# Altium PCB CSI2-IMX8M-EVK_Rev02.PcbDoc (part 2 of 2)
Units mm, origin at the board's own origin, x right, y up, seen from the top; angles counter-clockwise.
Board outline 42.53 x 74.03 mm, 4 copper layers (Layer1 Top, Layer2, Layer3, Layer4 Bottom), stack 1.59 mm thick; 126 components, 84 nets, 450 pads, 190 vias.
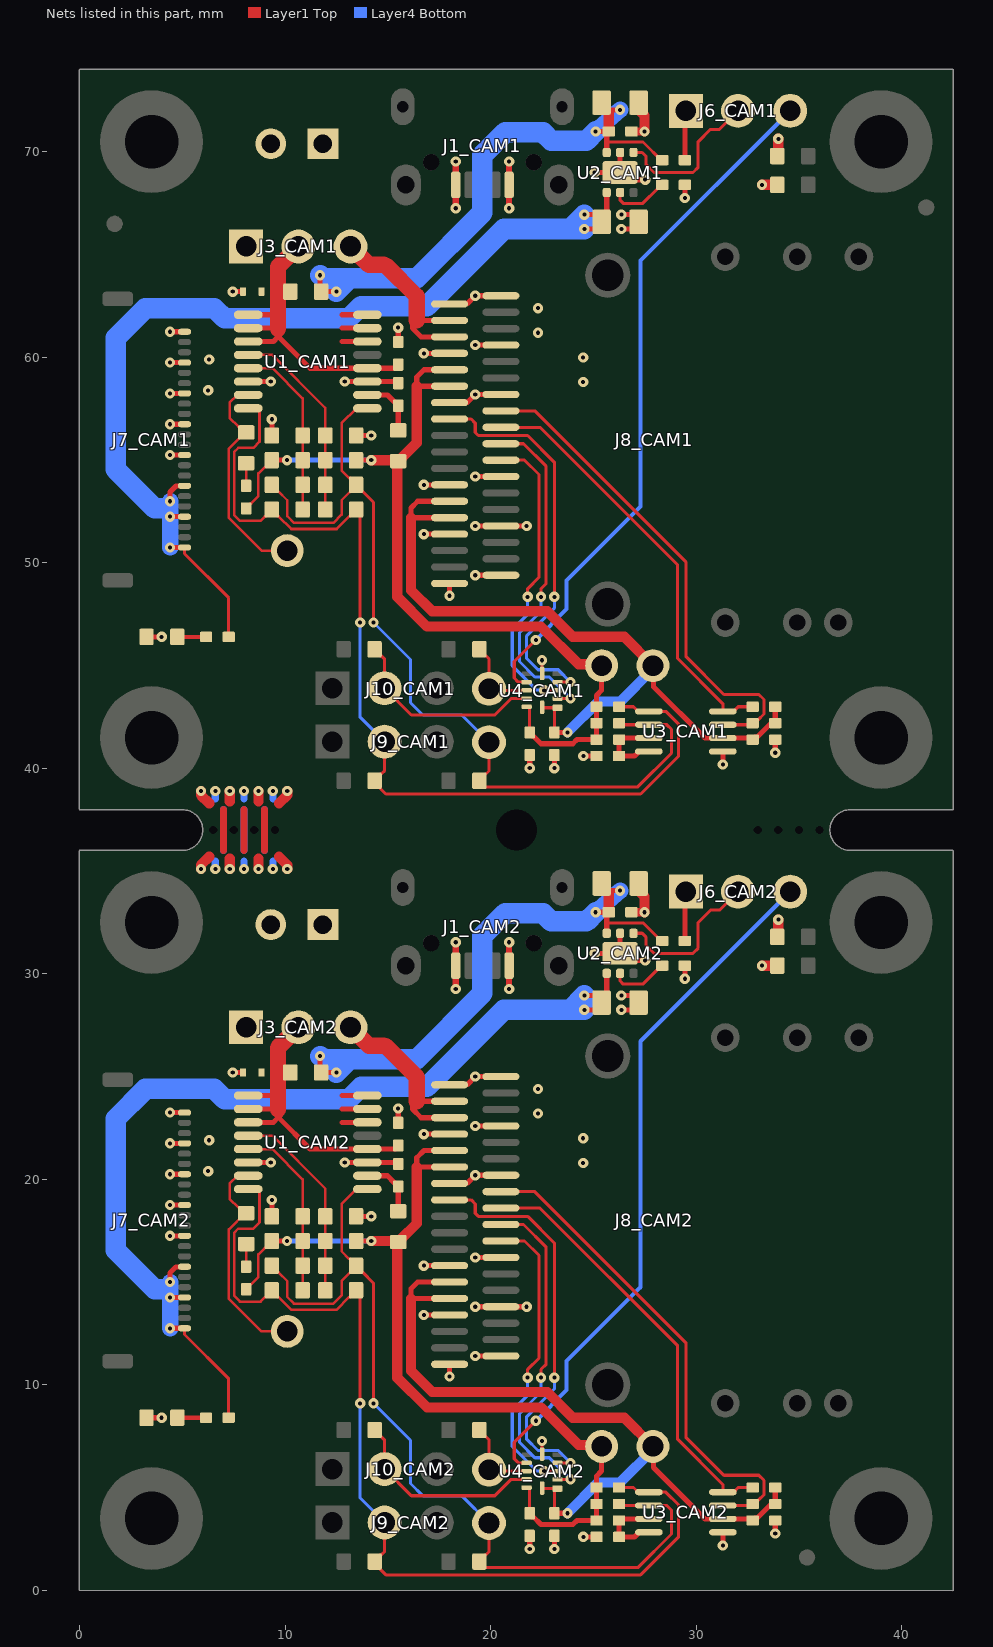
[diagram p4: the nets of this part, all layers, seen from the top]

## Via types
v1: diameter 0.5, hole 0.2, Layer1 Top to Layer4 Bottom, 190 vias

## Nets (pads, with @x,y where several pads share a name; then routed paths per layer and width w, separated by ;. In a path a pad name is that pad's centre, name@x,y a point inside that pad or via, vN(x,y) a via of type N, cw(c..) or ccw(c..) an arc to the next point about the centre after c; other vN are vias at no path point) (continued)
GND: C1_CAM1.2 C1_CAM2.2 C2_CAM1.2 C2_CAM2.2 C3_CAM1.2 C3_CAM2.2 C4_CAM1.2 C4_CAM2.2 C5_CAM1.2 C5_CAM2.2 C6_CAM1.2 C6_CAM2.2 C7_CAM1.2 C7_CAM2.2 C8_CAM1.2 C8_CAM2.2 C9_CAM1.2 C9_CAM2.2 C10_CAM1.1 C10_CAM2.1 D1_CAM1.A D1_CAM2.A D3_CAM1.K D3_CAM2.K J1_CAM1.5 J1_CAM2.5 J2_CAM1.2 J2_CAM2.2 J7_CAM1.10 J7_CAM1.13 J7_CAM1.16 J7_CAM1.19 J7_CAM1.22 J7_CAM2.10 J7_CAM2.13 J7_CAM2.16 J7_CAM2.19 J7_CAM2.22 J8_CAM1.A1 J8_CAM1.A4 J8_CAM1.A7 J8_CAM1.A12 J8_CAM1.A15 J8_CAM1.A18 J8_CAM1.B1 J8_CAM1.B4 J8_CAM1.B7 J8_CAM1.B12 J8_CAM1.B15 J8_CAM1.B18 J8_CAM2.A1 J8_CAM2.A4 J8_CAM2.A7 J8_CAM2.A12 J8_CAM2.A15 J8_CAM2.A18 J8_CAM2.B1 J8_CAM2.B4 J8_CAM2.B7 J8_CAM2.B12 J8_CAM2.B15 J8_CAM2.B18 R9_CAM1.1 R9_CAM2.1 R10_CAM1.1 R10_CAM2.1 R14_CAM1.1 R14_CAM2.1 R24_CAM1.2 R24_CAM2.2 U1_CAM1.6 U1_CAM1.11 U1_CAM2.6 U1_CAM2.11 U2_CAM1.5 U2_CAM1.7 U2_CAM2.5 U2_CAM2.7 U3_CAM1.1 U3_CAM2.1 U4_CAM1.6 U4_CAM2.6 | length 88.4
  Layer1 Top w0.15: U4_CAM2.6@22.5,6.625 v1(22.5,7.265) ; U4_CAM1.6@22.5,44.625 v1(22.5,45.265)
  Layer1 Top w0.25: D3_CAM2.K@3.35,8.4 v1(3.99,8.4) ; D3_CAM1.K@3.35,46.4 v1(3.99,46.4) ; v1(4.4,17.25) J7_CAM2.10@5.1,17.25 ; v1(4.4,18.75) J7_CAM2.13@5.1,18.75 ; v1(4.4,20.25) J7_CAM2.16@5.1,20.25 ; v1(4.4,21.75) J7_CAM2.19@5.1,21.75 ; v1(4.4,23.25) J7_CAM2.22@5.1,23.25 ; v1(4.4,55.25) J7_CAM1.10@5.1,55.25 ; v1(4.4,56.75) J7_CAM1.13@5.1,56.75 ; v1(4.4,58.25) J7_CAM1.16@5.1,58.25 ; v1(4.4,59.75) J7_CAM1.19@5.1,59.75 ; v1(4.4,61.25) J7_CAM1.22@5.1,61.25 ; v1(7.45,25.2) D1_CAM2.A@7.95,25.2 ; v1(7.45,63.2) D1_CAM1.A@7.95,63.2 ; U1_CAM2.6@8.2,20.825 v1(9.3,20.825) ; U1_CAM1.6@8.2,58.825 v1(9.3,58.825) ; R9_CAM2.1@9.35,18.35 v1(9.35,18.99) ; R9_CAM1.1@9.35,56.35 v1(9.35,56.99) ; v1(12.9,20.825) U1_CAM2.11@14,20.825 C2_CAM2.2@15.5,20.825 ; v1(12.9,58.825) U1_CAM1.11@14,58.825 C2_CAM1.2@15.5,58.825 ; R10_CAM2.1@13.55,18.2 v1(14.19,18.2) ; R10_CAM1.1@13.55,56.2 v1(14.19,56.2) ; C1_CAM2.2@15.5,22.75 v1(15.5,23.45) ; C1_CAM1.2@15.5,60.75 v1(15.5,61.45) ; v1(16.75,13.4) J8_CAM2.B4@18,13.4 ; v1(16.75,15.8) J8_CAM2.B7@18,15.8 ; v1(16.75,22.2) J8_CAM2.B15@18,22.2 ; v1(16.75,51.4) J8_CAM1.B4@18,51.4 ; v1(16.75,53.8) J8_CAM1.B7@18,53.8 ; v1(16.75,60.2) J8_CAM1.B15@18,60.2 ; v1(18,10.4) J8_CAM2.B1@18,11 ; J8_CAM2.B12@18,19.8 18.019,19.819 18.869,19.819 v1(19.25,20.2) J8_CAM2.A12@20.5,20.2 ; J8_CAM2.B18@18,24.6 18.019,24.619 18.869,24.619 v1(19.25,25) J8_CAM2.A18@20.5,25 ; v1(18,48.4) J8_CAM1.B1@18,49 ; J8_CAM1.B12@18,57.8 18.019,57.819 18.869,57.819 v1(19.25,58.2) J8_CAM1.A12@20.5,58.2 ; J8_CAM1.B18@18,62.6 18.019,62.619 18.869,62.619 v1(19.25,63) J8_CAM1.A18@20.5,63 ; v1(19.25,11.4) J8_CAM2.A1@20.5,11.4 ; v1(19.25,13.8) v1(21.75,13.8) ; v1(19.25,16.2) J8_CAM2.A7@20.5,16.2 ; v1(19.25,22.6) J8_CAM2.A15@20.5,22.6 ; v1(19.25,49.4) J8_CAM1.A1@20.5,49.4 ; v1(19.25,51.8) v1(21.75,51.8) ; v1(19.25,54.2) J8_CAM1.A7@20.5,54.2 ; v1(19.25,60.6) J8_CAM1.A15@20.5,60.6 ; v1(21.9,2.01) C9_CAM2.2@21.9,2.65 ; v1(21.9,40.01) C9_CAM1.2@21.9,40.65 ; v1(23.1,2.01) C8_CAM2.2@23.1,2.65 ; v1(23.1,40.01) C8_CAM1.2@23.1,40.65 ; v1(24.51,2.6) C7_CAM2.2@25.15,2.6 ; v1(24.51,40.6) C7_CAM1.2@25.15,40.6 ; v1(25.06,31) U2_CAM2.7@25.7,31 ; v1(25.06,69) U2_CAM1.7@25.7,69 ; U2_CAM2.7@26.3,31 U2_CAM2.5@26.3,31.975 ; U2_CAM1.7@26.3,69 U2_CAM1.5@26.3,69.975 ; v1(26.36,28.25) C4_CAM2.2@27,28.25 ; v1(26.36,28.95) C4_CAM2.2@27,28.95 ; v1(26.36,66.25) C4_CAM1.2@27,66.25 ; v1(26.36,66.95) C4_CAM1.2@27,66.95 ; U2_CAM2.7@26.88,30.65 v1(27.52,30.65) ; U2_CAM1.7@26.88,68.65 v1(27.52,68.65) ; v1(29.45,29.76) R14_CAM2.1@29.45,30.4 ; v1(29.45,67.76) R14_CAM1.1@29.45,68.4 ; v1(31.3,2.185) U3_CAM2.1@31.3,2.825 ; v1(31.3,40.185) U3_CAM1.1@31.3,40.825 ; v1(33.85,2.76) C6_CAM2.2@33.85,3.4 ; v1(33.85,40.76) C6_CAM1.2@33.85,41.4
  Layer1 Top w0.3: v1(18.3,29.26) J1_CAM2.5@18.3,29.9 ; J1_CAM2.5@18.3,30.9 v1(18.3,31.54) ; v1(18.3,67.26) J1_CAM1.5@18.3,67.9 ; J1_CAM1.5@18.3,68.9 v1(18.3,69.54)
  Layer1 Top w0.35: 7,36.016 7,38 ; 8,36.012 8,37.996 ; 9,36.012 9,37.996
  Layer1 Top w0.4: C5_CAM2.2@26.85,33 v1(27.49,33) ; C5_CAM1.2@26.85,71 v1(27.49,71)
  Layer1 Top w0.5: v1@5.9,35.104 5.9,35.3 6.3,35.7 ; v1@5.9,38.896 5.9,38.7 6.3,38.3 ; v1@7.3,35.104 7.3,35.6 ; 7.3,38.4 v1@7.3,38.896 ; v1@8.7,35.104 8.7,35.6 ; 8.7,38.4 v1@8.7,38.896 ; 9.7,35.7 10.1,35.3 v1@10.1,35.104 ; 9.7,38.3 10.1,38.7 v1@10.1,38.896 ; C3_CAM2.2@27.15,34.1 27.49,33.76 v1(27.49,33) ; C3_CAM1.2@27.15,72.1 27.49,71.76 v1(27.49,71) ; v1(33.21,30.4) C10_CAM2.1@33.85,30.4 ; v1(33.21,68.4) C10_CAM1.1@33.85,68.4 ; R24_CAM2.2@34,32 v1(34,32.64) ; R24_CAM1.2@34,70 v1(34,70.64)
  other v1: 6.25,20.4 24.5,20.8 6.3,21.9 24.5,22 22.3,23.2 22.3,24.4 5.9,35.1 7.3,35.1 8.7,35.1 10.1,35.1 5.9,38.9 7.3,38.9 8.7,38.9 10.1,38.9 6.25,58.4 24.5,58.8 6.3,59.9 24.5,60 22.3,61.2 22.3,62.4
I2C_SCL_1V8_CAM1: J8_CAM1.A11 R21_CAM1.2 U3_CAM1.3 | length 24.2
  Layer1 Top w0.15: J8_CAM1.A11@20.5,57.4 22.15,57.4 29.5,50.05 29.5,45.45 31.35,43.6 33.05,43.6 33.3,43.35 33.3,42.65 33.025,42.375 32.925,42.375 R21_CAM1.2@32.75,42.2 32.675,42.125 U3_CAM1.3@31.3,42.125
I2C_SCL_1V8_CAM2: J8_CAM2.A11 R21_CAM2.2 U3_CAM2.3 | length 24.2
  Layer1 Top w0.15: J8_CAM2.A11@20.5,19.4 22.15,19.4 29.5,12.05 29.5,7.45 31.35,5.6 33.05,5.6 33.3,5.35 33.3,4.65 33.025,4.375 32.925,4.375 R21_CAM2.2@32.75,4.2 32.675,4.125 U3_CAM2.3@31.3,4.125
I2C_SCL_3V3_CAM1: J9_CAM1.4 R7_CAM1.1 R8_CAM1.1 R15_CAM1.2 R22_CAM1.1 U1_CAM1.9 U3_CAM1.6 | length 43.8
  Layer1 Top w0.125: R7_CAM1.1@9.35,53.8 9.35,53.754 9.637,53.467 9.683,53.467 10.1,53.05 10.1,52.277 10.427,51.95 12.35,51.95 12.75,52.35 12.75,53.05 13.45,53.75 R8_CAM1.1@13.45,53.8 13.45,53.846 13.163,54.133 13.117,54.133 12.75,54.5 12.75,56.8 13.475,57.525 U1_CAM1.9@14,57.525
  Layer1 Top w0.15: R8_CAM1.1@13.45,53.75 13.725,53.475 13.775,53.475 14.3,52.95 v1(14.3,47.1) ; J9_CAM1.4@19.92,41.275 19.92,39.87 19.775,39.725 19.725,39.725 19.45,39.45 R15_CAM1.2@19.45,39.4 19.45,39.375 19.725,39.1 27.161,39.1 28.8,40.739 28.8,41.9 28.575,42.125 U3_CAM1.6@27.7,42.125 26.325,42.125 R22_CAM1.1@26.25,42.2
  Layer4 Bottom w0.15: v1(14.3,47.1) 16.1,45.3 16.1,43.2 16.7,42.6 18.595,42.6 J9_CAM1.4@19.92,41.275
I2C_SCL_3V3_CAM2: J9_CAM2.4 R7_CAM2.1 R8_CAM2.1 R15_CAM2.2 R22_CAM2.1 U1_CAM2.9 U3_CAM2.6 | length 43.8
  Layer1 Top w0.125: R7_CAM2.1@9.35,15.8 9.35,15.754 9.637,15.467 9.683,15.467 10.1,15.05 10.1,14.277 10.427,13.95 12.35,13.95 12.75,14.35 12.75,15.05 13.45,15.75 R8_CAM2.1@13.45,15.8 13.45,15.846 13.163,16.133 13.117,16.133 12.75,16.5 12.75,18.8 13.475,19.525 U1_CAM2.9@14,19.525
  Layer1 Top w0.15: R8_CAM2.1@13.45,15.75 13.725,15.475 13.775,15.475 14.3,14.95 v1(14.3,9.1) ; J9_CAM2.4@19.92,3.275 19.92,1.87 19.775,1.725 19.725,1.725 19.45,1.45 R15_CAM2.2@19.45,1.4 19.45,1.375 19.725,1.1 27.161,1.1 28.8,2.739 28.8,3.9 28.575,4.125 U3_CAM2.6@27.7,4.125 26.325,4.125 R22_CAM2.1@26.25,4.2
  Layer4 Bottom w0.15: v1(14.3,9.1) 16.1,7.3 16.1,5.2 16.7,4.6 18.595,4.6 J9_CAM2.4@19.92,3.275
I2C_SDA_1V8_CAM1: J8_CAM1.A10 R20_CAM1.2 U3_CAM1.4 | length 21
  Layer1 Top w0.15: J8_CAM1.A10@20.5,56.6 22.4,56.6 29.1,49.9 29.1,45.35 31.3,43.15 U3_CAM1.4@31.3,42.775 31.825,42.775 32.05,43 R20_CAM1.2@32.75,43
I2C_SDA_1V8_CAM2: J8_CAM2.A10 R20_CAM2.2 U3_CAM2.4 | length 21
  Layer1 Top w0.15: J8_CAM2.A10@20.5,18.6 22.4,18.6 29.1,11.9 29.1,7.35 31.3,5.15 U3_CAM2.4@31.3,4.775 31.825,4.775 32.05,5 R20_CAM2.2@32.75,5
I2C_SDA_3V3_CAM1: J9_CAM1.2 R4_CAM1.1 R5_CAM1.1 R16_CAM1.2 R23_CAM1.1 U1_CAM1.8 U3_CAM1.5 | length 47.9
  Layer1 Top w0.125: U1_CAM1.8@8.75,57.5 8.75,55.9 8.45,55.6 7.716,55.6 7.512,55.397 7.512,52.338 7.8,52.05 8.8,52.05 9.017,52.267 9.063,52.267 R4_CAM1.1@9.35,52.554 ; R4_CAM1.1@9.35,52.6 R4_CAM1.1@9.35,52.554 ; R5_CAM1.1@13.45,52.6 13.45,52.554 13.163,52.267 13.117,52.267 12.5,51.65 10.3,51.65 9.683,52.267 9.637,52.267 R4_CAM1.1@9.35,52.554
  Layer1 Top w0.15: R5_CAM1.1@13.45,52.6 13.65,52.4 v1(13.65,47.1) ; J9_CAM1.2@14.84,41.3 14.84,39.89 14.675,39.725 14.625,39.725 14.35,39.45 R16_CAM1.2@14.35,39.4 14.625,39.125 14.625,39.025 14.9,38.75 27.3,38.75 29.15,40.6 29.15,42.15 28.525,42.775 U3_CAM1.5@27.7,42.775 27.175,42.775 26.95,43 R23_CAM1.1@26.25,43
  Layer4 Bottom w0.15: v1(13.65,47.1) 13.65,42.49 J9_CAM1.2@14.84,41.3
I2C_SDA_3V3_CAM2: J9_CAM2.2 R4_CAM2.1 R5_CAM2.1 R16_CAM2.2 R23_CAM2.1 U1_CAM2.8 U3_CAM2.5 | length 47.9
  Layer1 Top w0.125: U1_CAM2.8@8.75,19.5 8.75,17.9 8.45,17.6 7.716,17.6 7.512,17.397 7.512,14.337 7.8,14.05 8.8,14.05 9.017,14.267 9.063,14.267 R4_CAM2.1@9.35,14.554 ; R4_CAM2.1@9.35,14.6 R4_CAM2.1@9.35,14.554 ; R5_CAM2.1@13.45,14.6 13.45,14.554 13.163,14.267 13.117,14.267 12.5,13.65 10.3,13.65 9.683,14.267 9.637,14.267 R4_CAM2.1@9.35,14.554
  Layer1 Top w0.15: R5_CAM2.1@13.45,14.6 13.65,14.4 v1(13.65,9.1) ; J9_CAM2.2@14.84,3.3 14.84,1.89 14.675,1.725 14.625,1.725 14.35,1.45 R16_CAM2.2@14.35,1.4 14.625,1.125 14.625,1.025 14.9,0.75 27.3,0.75 29.15,2.6 29.15,4.15 28.525,4.775 U3_CAM2.5@27.7,4.775 27.175,4.775 26.95,5 R23_CAM2.1@26.25,5
  Layer4 Bottom w0.15: v1(13.65,9.1) 13.65,4.49 J9_CAM2.2@14.84,3.3
INA260-A0_CAM1: R2_CAM1.2 R4_CAM1.2 R7_CAM1.2 R9_CAM1.2 U1_CAM1.5 | length 8.7
  Layer1 Top w0.125: U1_CAM1.5@8.2,59.475 9.375,59.475 10.85,58 R2_CAM1.2@10.85,55 R7_CAM1.2@10.85,53.8 R4_CAM1.2@10.85,52.6
INA260-A0_CAM2: R2_CAM2.2 R4_CAM2.2 R7_CAM2.2 R9_CAM2.2 U1_CAM2.5 | length 8.7
  Layer1 Top w0.125: U1_CAM2.5@8.2,21.475 9.375,21.475 10.85,20 R2_CAM2.2@10.85,17 R7_CAM2.2@10.85,15.8 R4_CAM2.2@10.85,14.6
INA260-A1_CAM1: R3_CAM1.2 R5_CAM1.2 R8_CAM1.2 R10_CAM1.2 U1_CAM1.4 | length 9.8
  Layer1 Top w0.125: U1_CAM1.4@8.2,60.125 9.375,60.125 11.95,57.55 R3_CAM1.2@11.95,55 R8_CAM1.2@11.95,53.8 R5_CAM1.2@11.95,52.6
INA260-A1_CAM2: R3_CAM2.2 R5_CAM2.2 R8_CAM2.2 R10_CAM2.2 U1_CAM2.4 | length 9.8
  Layer1 Top w0.125: U1_CAM2.4@8.2,22.125 9.375,22.125 11.95,19.55 R3_CAM2.2@11.95,17 R8_CAM2.2@11.95,15.8 R5_CAM2.2@11.95,14.6
MCLK_1V8_CAM1: J8_CAM1.A8 U4_CAM1.3 | length 14.7
  Layer1 Top w0.15: J8_CAM1.A8@20.5,55 21.65,55 22.35,54.3 22.35,49.3 21.8,48.75 v1(21.8,48.35) ; v1(22.61,43.8) U4_CAM1.3@23.25,43.8
  Layer4 Bottom w0.15: v1(21.8,48.35) 21.8,47.5 21.05,46.75 21.05,45 22.244,43.806 22.605,43.806 v1(22.61,43.8)
MCLK_1V8_CAM2: J8_CAM2.A8 U4_CAM2.3 | length 14.7
  Layer1 Top w0.15: J8_CAM2.A8@20.5,17 21.65,17 22.35,16.3 22.35,11.3 21.8,10.75 v1(21.8,10.35) ; v1(22.61,5.8) U4_CAM2.3@23.25,5.8
  Layer4 Bottom w0.15: v1(21.8,10.35) 21.8,9.5 21.05,8.75 21.05,7 22.244,5.806 22.605,5.806 v1(22.61,5.8)
MCLK_3V3_CAM1: J10_CAM1.4 R17_CAM1.2 U4_CAM1.9 | length 4
  Layer1 Top w0.15: R17_CAM1.2@19.45,45.8 19.45,45.75 19.725,45.475 19.775,45.475 19.92,45.33 J10_CAM1.4@19.92,43.875 19.995,43.8 U4_CAM1.9@21.75,43.8
MCLK_3V3_CAM2: J10_CAM2.4 R17_CAM2.2 U4_CAM2.9 | length 4
  Layer1 Top w0.15: R17_CAM2.2@19.45,7.8 19.45,7.75 19.725,7.475 19.775,7.475 19.92,7.33 J10_CAM2.4@19.92,5.875 19.995,5.8 U4_CAM2.9@21.75,5.8
NetC2_CAM1_1: C2_CAM1.1 R6_CAM1.2 U1_CAM1.10 | length 2.9
  Layer1 Top w0.25: U1_CAM1.10@14,58.175 14.975,58.175 15.325,57.825 15.375,57.825 15.5,57.7 C2_CAM1.1@15.5,57.65 R6_CAM1.2@15.5,56.45
NetC2_CAM2_1: C2_CAM2.1 R6_CAM2.2 U1_CAM2.10 | length 2.9
  Layer1 Top w0.25: U1_CAM2.10@14,20.175 14.975,20.175 15.325,19.825 15.375,19.825 15.5,19.7 C2_CAM2.1@15.5,19.65 R6_CAM2.2@15.5,18.45
NetC7_CAM1_1: C7_CAM1.1 R19_CAM1.1 U3_CAM1.7 U3_CAM1.8 | length 3.8
  Layer1 Top w0.25: U3_CAM1.8@27.7,40.825 27.189,40.825 27.165,40.802 27.165,40.762 27.004,40.6 C7_CAM1.1@26.25,40.6 R19_CAM1.1@26.25,41.4 26.325,41.475 U3_CAM1.7@27.7,41.475
NetC7_CAM2_1: C7_CAM2.1 R19_CAM2.1 U3_CAM2.7 U3_CAM2.8 | length 3.8
  Layer1 Top w0.25: U3_CAM2.8@27.7,2.825 27.189,2.825 27.165,2.802 27.165,2.762 27.004,2.6 C7_CAM2.1@26.25,2.6 R19_CAM2.1@26.25,3.4 26.325,3.475 U3_CAM2.7@27.7,3.475
NetD2_CAM1_A: D2_CAM1.A R11_CAM1.2 | length 1.1
  Layer1 Top w0.125: R11_CAM1.2@8.1,53.75 D2_CAM1.A@8.1,54.85
NetD2_CAM1_K: D2_CAM1.K TP1_CAM1.1 U1_CAM1.7 | length 10.9
  Layer1 Top w0.125: D2_CAM1.K@8.1,56.35 D2_CAM1.K@8.05,56.35 ; U1_CAM1.7@8.2,58.175 7.675,58.175 7.3,57.8 7.3,57.05 7.717,56.633 7.767,56.633 D2_CAM1.K@8.05,56.35 ; TP1_CAM1.1@10.1,50.6 8.85,50.6 7.262,52.188 7.262,55.562 D2_CAM1.K@8.05,56.35
NetD2_CAM2_A: D2_CAM2.A R11_CAM2.2 | length 1.1
  Layer1 Top w0.125: R11_CAM2.2@8.1,15.75 D2_CAM2.A@8.1,16.85
NetD2_CAM2_K: D2_CAM2.K TP1_CAM2.1 U1_CAM2.7 | length 10.9
  Layer1 Top w0.125: D2_CAM2.K@8.1,18.35 D2_CAM2.K@8.05,18.35 ; U1_CAM2.7@8.2,20.175 7.675,20.175 7.3,19.8 7.3,19.05 7.717,18.633 7.767,18.633 D2_CAM2.K@8.05,18.35 ; TP1_CAM2.1@10.1,12.6 8.85,12.6 7.262,14.188 7.262,17.562 D2_CAM2.K@8.05,18.35
NetD3_CAM1_A: D3_CAM1.A R13_CAM1.2 | length 1.4
  Layer1 Top w0.2: D3_CAM1.A@4.75,46.4 R13_CAM1.2@6.15,46.4
NetD3_CAM2_A: D3_CAM2.A R13_CAM2.2 | length 1.4
  Layer1 Top w0.2: D3_CAM2.A@4.75,8.4 R13_CAM2.2@6.15,8.4
NetJ6_CAM1_1: J6_CAM1.1 R12_CAM1.2 | length 2.4
  Layer1 Top w0.25: R12_CAM1.2@29.45,69.6 29.45,71.95 J6_CAM1.1@29.5,72
NetJ6_CAM1_2: J6_CAM1.2 U2_CAM1.4 | length 7.7
  Layer1 Top w0.15: U2_CAM1.4@26.95,69.975 27.375,69.975 27.55,69.8 27.55,69.4 27.95,69 29.85,69 30.1,69.25 30.1,70.5 30.7,71.1 31.14,71.1 J6_CAM1.2@32.04,72
NetJ6_CAM2_1: J6_CAM2.1 R12_CAM2.2 | length 2.4
  Layer1 Top w0.25: R12_CAM2.2@29.45,31.6 29.45,33.95 J6_CAM2.1@29.5,34
NetJ6_CAM2_2: J6_CAM2.2 U2_CAM2.4 | length 7.7
  Layer1 Top w0.15: U2_CAM2.4@26.95,31.975 27.375,31.975 27.55,31.8 27.55,31.4 27.95,31 29.85,31 30.1,31.25 30.1,32.5 30.7,33.1 31.14,33.1 J6_CAM2.2@32.04,34
NetR14_CAM1_2: R14_CAM1.2 U2_CAM1.2 | length 2.9
  Layer1 Top w0.15: U2_CAM1.2@26.3,68.025 26.3,67.65 26.45,67.5 27.4,67.5 28.125,68.225 28.175,68.225 R14_CAM1.2@28.35,68.4
NetR14_CAM2_2: R14_CAM2.2 U2_CAM2.2 | length 2.9
  Layer1 Top w0.15: U2_CAM2.2@26.3,30.025 26.3,29.65 26.45,29.5 27.4,29.5 28.125,30.225 28.175,30.225 R14_CAM2.2@28.35,30.4
nRST_1V8_CAM1: J8_CAM1.A9 U4_CAM1.2 | length 16.6
  Layer1 Top w0.15: J8_CAM1.A9@20.5,55.8 21.6,55.8 22.7,54.7 22.7,49 22.45,48.75 v1(22.45,48.35) ; U4_CAM1.2@23.25,43.4 v1(23.89,43.4)
  Layer4 Bottom w0.15: v1(22.45,48.35) 22.45,47.65 21.4,46.6 21.4,45.2 22.15,44.45 22.85,44.45 23.89,43.41 v1(23.89,43.4)
nRST_1V8_CAM2: J8_CAM2.A9 U4_CAM2.2 | length 16.6
  Layer1 Top w0.15: J8_CAM2.A9@20.5,17.8 21.6,17.8 22.7,16.7 22.7,11 22.45,10.75 v1(22.45,10.35) ; U4_CAM2.2@23.25,5.4 v1(23.89,5.4)
  Layer4 Bottom w0.15: v1(22.45,10.35) 22.45,9.65 21.4,8.6 21.4,7.2 22.15,6.45 22.85,6.45 23.89,5.41 v1(23.89,5.4)
nRST_3V3_CAM1: J10_CAM1.2 R18_CAM1.2 U4_CAM1.10 | length 9.9
  Layer1 Top w0.15: R18_CAM1.2@14.35,45.8 14.35,45.75 14.625,45.475 14.675,45.475 14.84,45.31 J10_CAM1.2@14.84,43.9 16.14,42.6 20.2,42.6 21,43.4 U4_CAM1.10@21.75,43.4
nRST_3V3_CAM2: J10_CAM2.2 R18_CAM2.2 U4_CAM2.10 | length 9.9
  Layer1 Top w0.15: R18_CAM2.2@14.35,7.8 14.35,7.75 14.625,7.475 14.675,7.475 14.84,7.31 J10_CAM2.2@14.84,5.9 16.14,4.6 20.2,4.6 21,5.4 U4_CAM2.10@21.75,5.4
PWDN_1V8_CAM1: J8_CAM1.B11 U4_CAM1.4 | length 19.6
  Layer1 Top w0.15: J8_CAM1.B11@18,57 19.05,57 19.25,56.8 19.25,56.35 19.4,56.2 21.8,56.2 23.1,54.9 v1(23.1,48.35) ; U4_CAM1.4@23.25,44.2 v1(23.89,44.2)
  Layer4 Bottom w0.15: v1(23.1,48.35) 23.1,47.8 21.75,46.45 21.75,45.35 22.3,44.8 23.29,44.8 v1(23.89,44.2)
PWDN_1V8_CAM2: J8_CAM2.B11 U4_CAM2.4 | length 19.6
  Layer1 Top w0.15: J8_CAM2.B11@18,19 19.05,19 19.25,18.8 19.25,18.35 19.4,18.2 21.8,18.2 23.1,16.9 v1(23.1,10.35) ; U4_CAM2.4@23.25,6.2 v1(23.89,6.2)
  Layer4 Bottom w0.15: v1(23.1,10.35) 23.1,9.8 21.75,8.45 21.75,7.35 22.3,6.8 23.29,6.8 v1(23.89,6.2)
PWDN_3V3_CAM1: J6_CAM1.3 U4_CAM1.8 | length 33.8
  Layer1 Top w0.15: U4_CAM1.8@21.75,44.2 21.35,44.2 21.15,44.4 21.15,45.2 v1(22.2,46.25)
  Layer4 Bottom w0.2: v1(22.2,46.25) 23.7,47.75 23.7,49.15 27.3,52.75 27.3,64.72 J6_CAM1.3@34.58,72
PWDN_3V3_CAM2: J6_CAM2.3 U4_CAM2.8 | length 33.8
  Layer1 Top w0.15: U4_CAM2.8@21.75,6.2 21.35,6.2 21.15,6.4 21.15,7.2 v1(22.2,8.25)
  Layer4 Bottom w0.2: v1(22.2,8.25) 23.7,9.75 23.7,11.15 27.3,14.75 27.3,26.72 J6_CAM2.3@34.58,34
VCC1V8_CAM1: C6_CAM1.1 C8_CAM1.1 J8_CAM1.B5 J8_CAM1.B6 R20_CAM1.1 R21_CAM1.1 TP2_CAM1.1 U3_CAM1.2 U4_CAM1.1 U4_CAM1.12 | length 38.4
  Layer1 Top w0.15: U4_CAM1.12@22.5,42.975 22.525,42.95 23.185,42.95 23.1,42.865 C8_CAM1.1@23.1,41.75
  Layer1 Top w0.25: J8_CAM1.B5@18,52.2 16.125,52.2 16.125,52.675 16.45,53 J8_CAM1.B6@18,53 ; C8_CAM1.1@23.1,41.75 v1(23.74,41.75) ; TP2_CAM1.1@27.9,45 27.929,44.971 27.929,43.971 30.425,41.475 U3_CAM1.2@31.3,41.475 32.675,41.475 C6_CAM1.1@32.75,41.4 32.875,41.525 32.975,41.525 33.85,42.4 R20_CAM1.1@33.85,43
  Layer1 Top w0.5: 16.125,52.2 16.125,48.675 17.15,47.65 22.75,47.65 24,46.4 26.5,46.4 TP2_CAM1.1@27.9,45
  Layer4 Bottom w0.5: v1(23.74,41.75) 25.24,43.25 26.3,43.25 27.9,44.85 TP2_CAM1.1@27.9,45
VCC1V8_CAM2: C6_CAM2.1 C8_CAM2.1 J8_CAM2.B5 J8_CAM2.B6 R20_CAM2.1 R21_CAM2.1 TP2_CAM2.1 U3_CAM2.2 U4_CAM2.1 U4_CAM2.12 | length 38.4
  Layer1 Top w0.15: U4_CAM2.12@22.5,4.975 22.525,4.95 23.185,4.95 23.1,4.865 C8_CAM2.1@23.1,3.75
  Layer1 Top w0.25: J8_CAM2.B5@18,14.2 16.125,14.2 16.125,14.675 16.45,15 J8_CAM2.B6@18,15 ; C8_CAM2.1@23.1,3.75 v1(23.74,3.75) ; TP2_CAM2.1@27.9,7 27.929,6.971 27.929,5.971 30.425,3.475 U3_CAM2.2@31.3,3.475 32.675,3.475 C6_CAM2.1@32.75,3.4 32.875,3.525 32.975,3.525 33.85,4.4 R20_CAM2.1@33.85,5
  Layer1 Top w0.5: 16.125,14.2 16.125,10.675 17.15,9.65 22.75,9.65 24,8.4 26.5,8.4 TP2_CAM2.1@27.9,7
  Layer4 Bottom w0.5: v1(23.74,3.75) 25.24,5.25 26.3,5.25 27.9,6.85 TP2_CAM2.1@27.9,7
VCC3V3_CAM1: C9_CAM1.1 J8_CAM1.B13 J8_CAM1.B14 R2_CAM1.1 R3_CAM1.1 R6_CAM1.1 R11_CAM1.1 R19_CAM1.2 R22_CAM1.2 R23_CAM1.2 TP3_CAM1.1 U4_CAM1.11 | length 44.1
  Layer1 Top w0.125: R11_CAM1.1@8.1,52.65 8.1,52.7 8.287,52.887 8.337,52.887 8.7,53.25 8.7,54.35 9.017,54.667 9.063,54.667 9.35,54.954 R2_CAM1.1@9.35,55
  Layer1 Top w0.15: U4_CAM1.11@21.75,43 21.865,43 21.9,42.965 C9_CAM1.1@21.9,41.75
  Layer1 Top w0.25: R2_CAM1.1@9.45,55 v1(10.09,55) ; R3_CAM1.1@13.55,55 v1(14.19,55) ; J8_CAM1.B13@18,58.6 16.4,58.6 16.4,59.05 16.75,59.4 J8_CAM1.B14@18,59.4 ; C9_CAM1.1@21.9,41.75 21.9,41.7 22.025,41.575 22.075,41.575 22.45,41.2 24,41.2 24.2,41.4 R19_CAM1.2@25.15,41.4 R22_CAM1.2@25.15,42.2 R23_CAM1.2@25.15,43 25.15,43.55 25.4,43.8 TP3_CAM1.1@25.4,45 TP3_CAM1.1@25.329,45.071
  Layer1 Top w0.5: v1(14.19,55) 15.45,55 R6_CAM1.1@15.5,54.95 ; 16.4,58.6 16.4,55.85 15.65,55.1 15.65,55.05 15.55,54.95 R6_CAM1.1@15.5,54.95 ; TP3_CAM1.1@25.329,45.071 24.279,45.071 22.45,46.9 16.9,46.9 15.45,48.35 15.45,54.9 R6_CAM1.1@15.5,54.95
  Layer4 Bottom w0.25: v1(10.09,55) v1(14.19,55)
VCC3V3_CAM2: C9_CAM2.1 J8_CAM2.B13 J8_CAM2.B14 R2_CAM2.1 R3_CAM2.1 R6_CAM2.1 R11_CAM2.1 R19_CAM2.2 R22_CAM2.2 R23_CAM2.2 TP3_CAM2.1 U4_CAM2.11 | length 44.1
  Layer1 Top w0.125: R11_CAM2.1@8.1,14.65 8.1,14.7 8.288,14.887 8.338,14.887 8.7,15.25 8.7,16.35 9.017,16.667 9.063,16.667 9.35,16.954 R2_CAM2.1@9.35,17
  Layer1 Top w0.15: U4_CAM2.11@21.75,5 21.865,5 21.9,4.965 C9_CAM2.1@21.9,3.75
  Layer1 Top w0.25: R2_CAM2.1@9.45,17 v1(10.09,17) ; R3_CAM2.1@13.55,17 v1(14.19,17) ; J8_CAM2.B13@18,20.6 16.4,20.6 16.4,21.05 16.75,21.4 J8_CAM2.B14@18,21.4 ; C9_CAM2.1@21.9,3.75 21.9,3.7 22.025,3.575 22.075,3.575 22.45,3.2 24,3.2 24.2,3.4 R19_CAM2.2@25.15,3.4 R22_CAM2.2@25.15,4.2 R23_CAM2.2@25.15,5 25.15,5.55 25.4,5.8 TP3_CAM2.1@25.4,7 TP3_CAM2.1@25.329,7.071
  Layer1 Top w0.5: v1(14.19,17) 15.45,17 R6_CAM2.1@15.5,16.95 ; 16.4,20.6 16.4,17.85 15.65,17.1 15.65,17.05 15.55,16.95 R6_CAM2.1@15.5,16.95 ; TP3_CAM2.1@25.329,7.071 24.279,7.071 22.45,8.9 16.9,8.9 15.45,10.35 15.45,16.9 R6_CAM2.1@15.5,16.95
  Layer4 Bottom w0.25: v1(10.09,17) v1(14.19,17)
VCC5V-CAM_CAM1: C3_CAM1.1 C5_CAM1.1 R1_CAM1.1 R12_CAM1.1 U1_CAM1.14 U1_CAM1.15 U1_CAM1.16 U2_CAM1.6 | length 33.9
  Layer1 Top w0.15: 25.65,70.485 27.415,70.485 28.35,69.55 R12_CAM1.1@28.35,69.6
  Layer1 Top w0.25: R1_CAM1.1@11.7,63.36 v1(11.7,64) ; R1_CAM1.1@11.85,63.2 v1(12.49,63.2) ; 12.775,60.775 U1_CAM1.14@14,60.775 ; 12.775,61.425 U1_CAM1.15@14,61.425 ; 12.775,62.075 U1_CAM1.16@14,62.075 ; v1(25.11,71) C5_CAM1.1@25.75,71 25.65,70.9 25.65,70.485 U2_CAM1.6@25.65,69.975 ; C3_CAM1.1@25.5,72.05 25.6,72.05 v1(26.3,72.05)
  Layer1 Top w0.5: C3_CAM1.1@25.4,72.4 25.4,72.25 25.6,72.05 25.75,71.9 C5_CAM1.1@25.75,71
  Layer4 Bottom w0.5: v1(12.49,63.2) v1@12.49,63.21
  Layer4 Bottom w0.8: v1(25.11,71) v1(26.3,72.05)
  Layer4 Bottom w1: v1(11.7,64) v1@12.49,63.21 ; 11.9,63.85 13.14,63.85 ; v1(12.49,63.2) 13.14,63.85 ; v1(25.11,71) 24.66,70.55 22.95,70.55 22.55,70.95 20.7,70.95 19.6,69.85 19.6,67.05 16.4,63.85 13.14,63.85
VCC5V-CAM_CAM2: C3_CAM2.1 C5_CAM2.1 R1_CAM2.1 R12_CAM2.1 U1_CAM2.14 U1_CAM2.15 U1_CAM2.16 U2_CAM2.6 | length 33.9
  Layer1 Top w0.15: 25.65,32.485 27.415,32.485 28.35,31.55 R12_CAM2.1@28.35,31.6
  Layer1 Top w0.25: R1_CAM2.1@11.7,25.36 v1(11.7,26) ; R1_CAM2.1@11.85,25.2 v1(12.49,25.2) ; 12.775,22.775 U1_CAM2.14@14,22.775 ; 12.775,23.425 U1_CAM2.15@14,23.425 ; 12.775,24.075 U1_CAM2.16@14,24.075 ; v1(25.11,33) C5_CAM2.1@25.75,33 25.65,32.9 25.65,32.485 U2_CAM2.6@25.65,31.975 ; C3_CAM2.1@25.5,34.05 25.6,34.05 v1(26.3,34.05)
  Layer1 Top w0.5: C3_CAM2.1@25.4,34.4 25.4,34.25 25.6,34.05 25.75,33.9 C5_CAM2.1@25.75,33
  Layer4 Bottom w0.5: v1(12.49,25.2) v1@12.49,25.21
  Layer4 Bottom w0.8: v1(25.11,33) v1(26.3,34.05)
  Layer4 Bottom w1: v1(11.7,26) v1@12.49,25.21 ; 11.9,25.85 13.14,25.85 ; v1(12.49,25.2) 13.14,25.85 ; v1(25.11,33) 24.66,32.55 22.95,32.55 22.55,32.95 20.7,32.95 19.6,31.85 19.6,29.05 16.4,25.85 13.14,25.85
VCC5V-EXT: J1_CAM1.1 J1_CAM2.1 J2_CAM1.1 J2_CAM2.1 J3_CAM1.1 J3_CAM2.1 | length 10.8
  Layer1 Top w0.3: v1(20.9,29.26) J1_CAM2.1@20.9,29.9 ; J1_CAM2.1@20.9,30.9 v1(20.9,31.54) ; v1(20.9,67.26) J1_CAM1.1@20.9,67.9 ; J1_CAM1.1@20.9,68.9 v1(20.9,69.54)
  Layer4 Bottom w0.35: v1(6.6,35.1) 6.6,35.484 ; 6.6,38.516 v1(6.6,38.9) ; 7,36.016 7,38 ; v1(8,35.1) 8,35.484 ; 8,36.012 8,37.996 ; 8,38.516 v1(8,38.9) ; 9,36.012 9,37.996 ; v1(9.4,35.1) 9.4,35.484 ; 9.4,38.516 v1(9.4,38.9)
VCC5V-SAS_CAM1: J3_CAM1.3 J8_CAM1.B16 J8_CAM1.B17 | length 9
  Layer1 Top w0.25: 16.2,61.7 16.2,61.425 16.625,61 J8_CAM1.B16@18,61 ; 16.7,61.8 J8_CAM1.B17@18,61.8
  Layer1 Top w0.8: J3_CAM1.3@13.18,65.4 14.08,64.5 14.8,64.5 14.825,64.475 14.9,64.475 16.4,62.975 16.4,61.8
VCC5V-SAS_CAM2: J3_CAM2.3 J8_CAM2.B16 J8_CAM2.B17 | length 9
  Layer1 Top w0.25: 16.2,23.7 16.2,23.425 16.625,23 J8_CAM2.B16@18,23 ; 16.7,23.8 J8_CAM2.B17@18,23.8
  Layer1 Top w0.8: J3_CAM2.3@13.18,27.4 14.08,26.5 14.8,26.5 14.825,26.475 14.9,26.475 16.4,24.975 16.4,23.8
VCC5V_CAM1: C1_CAM1.1 D1_CAM1.K J3_CAM1.2 R1_CAM1.2 U1_CAM1.1 U1_CAM1.2 U1_CAM1.3 U1_CAM1.12 | length 15.2
  Layer1 Top w0.25: U1_CAM1.3@8.2,60.775 9.425,60.775 9.668,61.018 ; U1_CAM1.2@8.2,61.425 9.425,61.425 ; U1_CAM1.1@8.2,62.075 9.425,62.075 ; 9.8,61.15 9.668,61.018 ; C1_CAM1.1@15.5,59.65 15.5,59.6 15.375,59.475 U1_CAM1.12@14,59.475 11.21,59.475 9.668,61.018
  Layer1 Top w0.8: 9.65,61.4 9.65,64.41 J3_CAM1.2@10.64,65.4
VCC5V_CAM2: C1_CAM2.1 D1_CAM2.K J3_CAM2.2 R1_CAM2.2 U1_CAM2.1 U1_CAM2.2 U1_CAM2.3 U1_CAM2.12 | length 15.2
  Layer1 Top w0.25: U1_CAM2.3@8.2,22.775 9.425,22.775 9.668,23.018 ; U1_CAM2.2@8.2,23.425 9.425,23.425 ; U1_CAM2.1@8.2,24.075 9.425,24.075 ; 9.8,23.15 9.668,23.018 ; C1_CAM2.1@15.5,21.65 15.5,21.6 15.375,21.475 U1_CAM2.12@14,21.475 11.21,21.475 9.668,23.018
  Layer1 Top w0.8: 9.65,23.4 9.65,26.41 J3_CAM2.2@10.64,27.4
VCC-EXT-IN_CAM1: C4_CAM1.1 J7_CAM1.1 J7_CAM1.4 J7_CAM1.7 R13_CAM1.1 U2_CAM1.1 | length 49.8
  Layer1 Top w0.15: J7_CAM1.1@5.1,50.75 5.1,50.45 7.25,48.3 R13_CAM1.1@7.25,46.4
  Layer1 Top w0.25: v1(4.4,50.75) J7_CAM1.1@5.1,50.75 ; v1(4.4,52.25) J7_CAM1.4@5.1,52.25 ; v1(4.4,53) 4.4,53.45 4.691,53.741 5.091,53.741 J7_CAM1.7@5.1,53.75 ; v1(24.56,66.25) C4_CAM1.1@25.2,66.25 ; v1(24.56,66.95) C4_CAM1.1@25.2,66.95 ; C4_CAM1.1@25.4,66.6 25.65,66.85 U2_CAM1.1@25.65,68.025
  Layer4 Bottom w0.8: v1(4.4,50.75) v1(4.4,52.25) v1(4.4,53)
  Layer4 Bottom w1: 4.25,52.65 3.65,52.65 1.75,54.55 1.75,60.95 3.2,62.4 6.55,62.4 7.05,61.9 13.1,61.9 13.7,62.5 16.9,62.5 20.65,66.25 v1(24.56,66.25) v1(24.56,66.95) 23.868,66.258
VCC-EXT-IN_CAM2: C4_CAM2.1 J7_CAM2.1 J7_CAM2.4 J7_CAM2.7 R13_CAM2.1 U2_CAM2.1 | length 49.8
  Layer1 Top w0.15: J7_CAM2.1@5.1,12.75 5.1,12.45 7.25,10.3 R13_CAM2.1@7.25,8.4
  Layer1 Top w0.25: v1(4.4,12.75) J7_CAM2.1@5.1,12.75 ; v1(4.4,14.25) J7_CAM2.4@5.1,14.25 ; v1(4.4,15) 4.4,15.45 4.691,15.741 5.091,15.741 J7_CAM2.7@5.1,15.75 ; v1(24.56,28.25) C4_CAM2.1@25.2,28.25 ; v1(24.56,28.95) C4_CAM2.1@25.2,28.95 ; C4_CAM2.1@25.4,28.6 25.65,28.85 U2_CAM2.1@25.65,30.025
  Layer4 Bottom w0.8: v1(4.4,12.75) v1(4.4,14.25) v1(4.4,15)
  Layer4 Bottom w1: 4.25,14.65 3.65,14.65 1.75,16.55 1.75,22.95 3.2,24.4 6.55,24.4 7.05,23.9 13.1,23.9 13.7,24.5 16.9,24.5 20.65,28.25 23.868,28.25 ; 23.868,28.25 v1(24.56,28.25) v1(24.56,28.95) 23.868,28.258 23.868,28.25
pads on no net: J1_CAM1. J1_CAM1.2 J1_CAM1.3 J1_CAM1.4 J1_CAM2. J1_CAM2.2 J1_CAM2.3 J1_CAM2.4 J7_CAM1.23 J7_CAM1.24 J7_CAM2.23 J7_CAM2.24 J8_CAM1.7 J8_CAM1.8 J8_CAM1.B8 J8_CAM1.B9 J8_CAM1.B10 J8_CAM2.7 J8_CAM2.8 J8_CAM2.B8 J8_CAM2.B9 J8_CAM2.B10 MRK1.1 MRK2.1 MRK3.1 U1_CAM1.13 U1_CAM2.13 U2_CAM1.3 U2_CAM2.3 U4_CAM1.5 U4_CAM1.7 U4_CAM2.5 U4_CAM2.7 X2_CAM1.1 X2_CAM2.1 X3_CAM1.1 X3_CAM2.1 X4_CAM1.1 X4_CAM2.1
copper on no net: | length 8
  Layer1 Top w0.2: 8.83,29.75 9.83,29.75 ; 8.83,67.75 9.83,67.75 ; 9.33,29.75 9.33,30.75 ; 9.33,67.75 9.33,68.75 ; 11.37,30.156 12.37,30.156 ; 11.37,68.156 12.37,68.156 ; 11.87,29.656 11.87,30.656 ; 11.87,67.656 11.87,68.656

## Polygon pours and split planes (outlines as drawn)
GND on Layer2 "NONET_L02_P-001" (solid, remove dead copper, pour order 62): 0,73.75 15,73.75 15,70.5 25.25,70.5 26.25,71.5 34.5,71.5 34.5,66.5 29.75,66.5 29.75,45.5 42.5,45.5 42.5,38.25 0,38.25
GND on Layer2 "NONET_L02_P-001" (solid, remove dead copper, pour order 63): 0,35.75 15,35.75 15,32.5 25.25,32.5 26.25,33.5 34.5,33.5 34.5,28.5 29.75,28.5 29.75,7.5 42.5,7.5 42.5,0.25 0,0.25
C-GND_CAM2 on Layer2 "NONET_L02_P-001" (solid, remove dead copper, pour order 61): 15.5,35.75 15.5,33 25,33 26,34 35,34 35,28 30.25,28 30.25,8 42.5,8 42.5,35.75
C-GND_CAM1 on Layer2 "NONET_L02_P-001" (solid, remove dead copper, pour order 60): 15.5,73.75 15.5,71 25,71 26,72 35,72 35,66 30.25,66 30.25,46 42.5,46 42.5,73.75
VCC5V-EXT on Layer3 "NONET_L02_P-001" (solid, remove dead copper, pour order 66): 15,73.75 15,70.5 21.25,70.5 21.25,64 4.75,64 2.25,61.5 2.25,53.75 10.75,45.25 10.75,38.25 0,38.25 0,73.75
C-GND_CAM2 on Layer3 "NONET_L02_P-001" (solid, remove dead copper, pour order 65): 15.5,35.75 15.5,33 25,33 26,34 35,34 35,28 30.25,28 30.25,8 42.5,8 42.5,35.75
VCC5V-EXT on Layer3 "NONET_L02_P-001" (solid, remove dead copper, pour order 67): 15,35.75 15,32.5 21.25,32.5 21.25,26 4.75,26 2.25,23.5 2.25,15.75 10.75,7.25 10.75,0.25 0,0.25 0,35.75
GND on Layer3 "NONET_L02_P-001" (solid, remove dead copper, pour order 69): 21.75,32.5 21.75,25.5 5,25.5 2.75,23.25 2.75,16 11.25,7.5 11.25,0.25 42.5,0.25 42.5,7.5 29.75,7.5 29.75,28.5 34.5,28.5 34.5,33.5 26.25,33.5 25.25,32.5
GND on Layer3 "NONET_L02_P-001" (solid, remove dead copper, pour order 68): 21.75,70.5 21.75,63.5 5,63.5 2.75,61.25 2.75,54 11.25,45.5 11.25,38.25 42.5,38.25 42.5,45.5 29.75,45.5 29.75,66.5 34.5,66.5 34.5,71.5 26.25,71.5 25.25,70.5
C-GND_CAM1 on Layer3 "NONET_L02_P-001" (solid, remove dead copper, pour order 64): 15.5,73.75 15.5,71 25,71 26,72 35,72 35,66 30.25,66 30.25,46 42.5,46 42.5,73.75

## Keep-outs
Keep-Out Layer:
  lines w0.024: 5.7,73.6 5.7,72.2 9.7,72.2 9.7,73.6
  lines w0.025: 5.4,73.6 11.6,73.6 42.1,73.6 42.1,38.4 10.5,38.4 9.85,37.75 9.85,36.25 10.5,35.6 11.4,35.6 42.1,35.6 42.1,0.4 0.4,0.4 ; 5.5,0.4 0.4,0.4 ; 5.5,73.6 0.4,73.6 0.4,38.4 5.5,38.4 6.15,37.75 6.15,36.25 5.5,35.6 0.4,35.6 0.4,0.4 ; 5.7,73.6 9.7,73.6

## Other copper
Layer1 Top:
  region net VCC5V-SAS_CAM2: 16,23.45 16.35,23.1 16.9,23.1 16.8,23.2 16.8,23.6 16.9,23.7 16.9,23.9 16.8,24 16.8,24.05 16,24.05
  region net VCC5V_CAM2: 9.314,25.6 9.314,25.7 8.964,25.35 8.964,25.05 9.264,24.75 9.264,24.25 9.214,24.2 9.214,23.95 9.264,23.9 9.264,23.6 9.214,23.55 9.214,22.95 9.164,22.9 9.164,22.65 9.614,22.65 10.064,23.1 10.064,25.6
  region net VCC5V-CAM_CAM2: 12.964,24.25 12.464,24.25 12.014,24.7 12.014,25.2 12.014,25.6 11.514,25.6 11.514,23.75 12.614,22.65 13.064,22.65 13.064,22.9 13.014,22.95 13.014,23.55 12.964,23.6 12.964,23.9 13.014,23.95 13.014,24.2
  region net GND: 7.6,36.6 7.4,36.6 7.125,36.875 5.75,35.5 10.25,35.5 8.875,36.875 8.6,36.6 8.4,36.6 8,37
  region net GND: 8.4,37.4 8.6,37.4 8.875,37.125 10.25,38.5 5.75,38.5 7.125,37.125 7.4,37.4 7.6,37.4 8,37
  region net VCC5V-CAM_CAM1: 12.95,62.25 12.45,62.25 12,62.7 12,63.2 12,63.6 11.5,63.6 11.5,61.75 12.6,60.65 13.05,60.65 13.05,60.9 13,60.95 13,61.55 12.95,61.6 12.95,61.9 13,61.95 13,62.2
  region net VCC5V-SAS_CAM1: 16,61.45 16.35,61.1 16.9,61.1 16.8,61.2 16.8,61.6 16.9,61.7 16.9,61.9 16.8,62 16.8,62.05 16,62.05
  region net VCC5V_CAM1: 9.3,63.6 9.3,63.7 8.95,63.35 8.95,63.05 9.25,62.75 9.25,62.25 9.2,62.2 9.2,61.95 9.25,61.9 9.25,61.6 9.2,61.55 9.2,60.95 9.15,60.9 9.15,60.65 9.6,60.65 10.05,61.1 10.05,63.6
  text "1" at 6.3,72.5 h0.8
  text "PS" at 11.3,72.5 h0.8
  text "J6" at 32.9,69 h0.8 r90
  text "J2" at 5.15,67.4 h0.8
  text "DC IN 5V" at 14.2,67.1 h0.8 r90
  text "PWREN" at 31.3,66.55 h0.8 r90
  text "J1" at 18.9,66.3 h0.8
  text "PWR" at 4.1,66 h0.8
  text "SAS" at 14.677,65.31 h0.8
  text "from" at 3.5,65 h0.8
  text "DCIN/USB" at 0.777,63.81 h0.8
  text "J3" at 13.2,63 h0.8
  text "J7" at 0.75,47.6 h0.8
  text "CAM" at 3.05,47.6 h0.8
  text "ON" at 0.872,45.903 h0.8
  text "J8" at 31.777,44.31 h0.8
  text "SAS" at 35.677,44.31 h0.8
  text "J10" at 8.5,43.4 h0.8
  text "J9" at 9.1,40.8 h0.8
  text "1" at 10.672,38.928 h0.8
  text "J6" at 32.9,31 h0.8 r90
  text "J2" at 5.15,29.4 h0.8
  text "DC IN 5V" at 14.2,29.1 h0.8 r90
  text "PWREN" at 31.3,28.55 h0.8 r90
  text "J1" at 18.9,28.3 h0.8
  text "PWR" at 4.1,28 h0.8
  text "SAS" at 14.677,27.31 h0.8
  text "from" at 3.5,27 h0.8
  text "DCIN/USB" at 0.777,25.81 h0.8
  text "J3" at 13.2,25 h0.8
  text "J7" at 0.75,9.6 h0.8
  text "CAM" at 3.05,9.6 h0.8
  text "ON" at 0.872,7.903 h0.8
  text "J8" at 31.777,6.31 h0.8
  text "SAS" at 35.677,6.31 h0.8
  text "J10" at 8.5,5.4 h0.8
  text "J9" at 9.1,2.8 h0.8
  text "1" at 10.672,0.928 h0.8
Layer2:
  text "2" at 6.8,72.5 h0.8
  text "Layer 2" at 81,0.5 h0.9
Layer3:
  text "3" at 7.8,72.5 h0.8
  text "Layer 3" at 81,0.5 h0.9
Layer4 Bottom:
  region net VCC5V-EXT: 6.425,35.504 6.425,36.179 7.125,36.879 7.4,36.604 7.6,36.604 8,37.004 8.4,36.604 8.6,36.604 8.875,36.879 9.575,36.179 9.575,35.504
  region net VCC5V-EXT: 9.575,38.5 9.575,37.825 8.875,37.125 8.6,37.4 8.4,37.4 8,37 7.6,37.4 7.4,37.4 7.125,37.125 6.425,37.825 6.425,38.5
  text "4" at 8.8,72.5 h0.8
  text "SS" at 12.8,72.5 h0.8
  text "CSI2-IMX8M-EVK_Rev02" at 33.4,63.762 h0.8 r90

## Silkscreen, mask and mechanical layers (free items; w line width, h text height)
Top Overlay:
  lines w0.1: 6.8,29 14.34,29 ; 6.8,29 6.8,35.8 ; 6.8,29 14.34,29 ; 6.8,29 6.8,35.8 ; 6.8,35.8 14.34,35.8 ; 6.8,35.8 14.34,35.8 ; 14.34,29 14.34,35.8 ; 14.34,29 14.34,35.8 ; 6.8,67 6.8,73.8 14.34,73.8 14.34,67 6.8,67
Top Solder:
  lines w0.25: 8.83,29.75 9.83,29.75 ; 8.83,67.75 9.83,67.75 ; 9.33,29.75 9.33,30.75 ; 9.33,67.75 9.33,68.75 ; 11.37,30.156 12.37,30.156 ; 11.37,68.156 12.37,68.156 ; 11.87,29.656 11.87,30.656 ; 11.87,67.656 11.87,68.656
  text "J6" at 32.9,69 h0.8 r90
  text "J2" at 5.15,67.4 h0.8
  text "DC IN 5V" at 14.2,67.1 h0.8 r90
  text "PWREN" at 31.3,66.55 h0.8 r90
  text "J1" at 18.9,66.3 h0.8
  text "PWR" at 4.1,66 h0.8
  text "SAS" at 14.677,65.31 h0.8
  text "from" at 3.5,65 h0.8
  text "DCIN/USB" at 0.777,63.81 h0.8
  text "J3" at 13.2,63 h0.8
  text "J7" at 0.75,47.6 h0.8
  text "CAM" at 3.05,47.6 h0.8
  text "ON" at 0.872,45.903 h0.8
  text "J8" at 31.777,44.31 h0.8
  text "SAS" at 35.677,44.31 h0.8
  text "J10" at 8.5,43.4 h0.8
  text "J9" at 9.1,40.8 h0.8
  text "1" at 10.672,38.928 h0.8
  text "J6" at 32.9,31 h0.8 r90
  text "J2" at 5.15,29.4 h0.8
  text "DC IN 5V" at 14.2,29.1 h0.8 r90
  text "PWREN" at 31.3,28.55 h0.8 r90
  text "J1" at 18.9,28.3 h0.8
  text "PWR" at 4.1,28 h0.8
  text "SAS" at 14.677,27.31 h0.8
  text "from" at 3.5,27 h0.8
  text "DCIN/USB" at 0.777,25.81 h0.8
  text "J3" at 13.2,25 h0.8
  text "J7" at 0.75,9.6 h0.8
  text "CAM" at 3.05,9.6 h0.8
  text "ON" at 0.872,7.903 h0.8
  text "J8" at 31.777,6.31 h0.8
  text "SAS" at 35.677,6.31 h0.8
  text "J10" at 8.5,5.4 h0.8
  text "J9" at 9.1,2.8 h0.8
  text "1" at 10.672,0.928 h0.8
Bottom Solder:
  text "CSI2-IMX8M-EVK_Rev02" at 33.4,63.762 h0.8 r90
Mechanical 1:
  lines w0.025: 4.9,74 31.5,74 42.5,74 42.5,38 37.5,38 ccw(c37.5,37) 37.5,36 ; 5,0 0,0 ; 5,74 0,74 0,38 5,38 cw(c5,37) 5,36 ; 11,0 31.5,0 ; 37.5,0 42.5,0 ; 0,0 0,36 ; 0,0 42.5,0 ; 0,0 0,36 ; 0,36 5,36 ; 0,36 5,36 ; 11,36 cw(c11,37) 11,38 31.5,38 cw(c31.5,37) 31.5,36 ; 11,36 31.5,36 ; 11,36 31.5,36 ; 37.5,36 42.5,36 ; 37.5,36 42.5,36 ; 42.5,0 42.5,36 ; 42.5,0 42.5,36
Drill Drawing:
  drawing of 182 lines, arcs and shapes, not listed
  text "Layer" at 59.678,82.25 h0.8
  text "Name" at 64.254,82.25 h0.8
  text "Material" at 74.384,82.25 h0.8
  text "Thickness" at 83.15,82.25 h0.8
  text "Constant" at 89.978,82.25 h0.8
  text "Top Overlay" at 64.254,80.65 h0.8
  text "Top Solder" at 64.254,79.05 h0.8
  text "Solder Resist" at 74.384,79.05 h0.8
  text "0,025mm" at 83.15,79.05 h0.8
  text "4" at 89.978,79.05 h0.8
  text "L 125um / S 125um / L 125um : Zd=100 Ohm" at 97,77.5 h0.8
  text "1" at 59.678,77.45 h0.8
  text "Layer1 Top" at 64.254,77.45 h0.8
  text "0,035mm" at 83.15,77.45 h0.8
  text "Dielectric1" at 64.254,75.85 h0.8
  text "PP-006" at 74.384,75.85 h0.8
  text "0,160mm" at 83.15,75.85 h0.8
  text "4.7" at 89.978,75.85 h0.8
  text "2" at 59.678,74.25 h0.8
  text "Layer2" at 64.254,74.25 h0.8
  text "0,035mm" at 83.15,74.25 h0.8
  text "Dielectric2" at 64.254,72.65 h0.8
  text "Core-039" at 74.384,72.65 h0.8
  text "1,130mm" at 83.15,72.65 h0.8
  text "4.74" at 89.978,72.65 h0.8
  text "3" at 59.678,71.05 h0.8
  text "Layer3" at 64.254,71.05 h0.8
  text "0,035mm" at 83.15,71.05 h0.8
  text "Dielectric3" at 64.254,69.45 h0.8
  text "PP-006" at 74.384,69.45 h0.8
  text "0,160mm" at 83.15,69.45 h0.8
  text "4.7" at 89.978,69.45 h0.8
  text "4" at 59.678,67.85 h0.8
  text "Layer4 Bottom" at 64.254,67.85 h0.8
  text "0,035mm" at 83.15,67.85 h0.8
  text "L 125um / S 125um / L 125um : Zd=100 Ohm" at 97,67.75 h0.8
  text "Bottom Solder" at 64.254,66.25 h0.8
  text "Solder Resist" at 74.384,66.25 h0.8
  text "0,025mm" at 83.15,66.25 h0.8
  text "4" at 89.978,66.25 h0.8
  text "Bottom Overlay" at 64.254,64.65 h0.8
  text "Total board thickness:" at 59.678,63.05 h0.8
  text "1,640mm" at 83.15,63.05 h0.8
  text "Symbol" at 52.578,40.988 h0.96
  text "Hit Count" at 58.573,40.988 h0.96
  text "Finished Hole Size" at 66.24,40.988 h0.96
  text "Plated" at 79.57,40.988 h0.96
  text "Hole Type" at 84.756,40.988 h0.96
  text "Drill Layer Pair" at 92.505,40.988 h0.96
  text "190" at 58.573,38.988 h0.8
  text "0,200mm (7,87mil)" at 66.24,38.988 h0.8
  text "PTH" at 79.57,38.988 h0.8
  text "Round" at 84.756,38.988 h0.8
  text "Layer1 Top - Layer4 Bottom" at 92.505,38.988 h0.8
  text "8" at 58.573,36.988 h0.8
  text "0,400mm (15,75mil)" at 66.24,36.988 h0.8
  text "NPTH" at 79.57,36.988 h0.8
  text "Round" at 84.756,36.988 h0.8
  text "Layer1 Top - Layer4 Bottom" at 92.505,36.988 h0.8
  text "4" at 58.573,34.988 h0.8
  text "0,550mm (21,65mil)" at 66.24,34.988 h0.8
  text "PTH" at 79.57,34.988 h0.8
  text "Slot" at 84.756,34.988 h0.8
  text "Layer1 Top - Layer4 Bottom" at 92.505,34.988 h0.8
  text "4" at 58.573,32.988 h0.8
  text "0,800mm (31,50mil)" at 66.24,32.988 h0.8
  text "NPTH" at 79.57,32.988 h0.8
  text "Round" at 84.756,32.988 h0.8
  text "Layer1 Top - Layer4 Bottom" at 92.505,32.988 h0.8
  text "12" at 58.573,30.988 h0.8
  text "0,800mm (31,50mil)" at 66.24,30.988 h0.8
  text "PTH" at 79.57,30.988 h0.8
  text "Round" at 84.756,30.988 h0.8
  text "Layer1 Top - Layer4 Bottom" at 92.505,30.988 h0.8
  text "4" at 58.573,28.988 h0.8
  text "0,850mm (33,47mil)" at 66.24,28.988 h0.8
  text "PTH" at 79.57,28.988 h0.8
  text "Slot" at 84.756,28.988 h0.8
  text "Layer1 Top - Layer4 Bottom" at 92.505,28.988 h0.8
  text "4" at 58.573,26.988 h0.8
  text "0,900mm (35,43mil)" at 66.24,26.988 h0.8
  text "PTH" at 79.57,26.988 h0.8
  text "Round" at 84.756,26.988 h0.8
  text "Layer1 Top - Layer4 Bottom" at 92.505,26.988 h0.8
  text "34" at 58.573,24.988 h0.8
  text "1,000mm (39,37mil)" at 66.24,24.988 h0.8
  text "PTH" at 79.57,24.988 h0.8
  text "Round" at 84.756,24.988 h0.8
  text "Layer1 Top - Layer4 Bottom" at 92.505,24.988 h0.8
  text "4" at 58.573,22.988 h0.8
  text "1,550mm (61,02mil)" at 66.24,22.988 h0.8
  text "PTH" at 79.57,22.988 h0.8
  text "Round" at 84.756,22.988 h0.8
  text "Layer1 Top - Layer4 Bottom" at 92.505,22.988 h0.8
  text "1" at 58.573,20.988 h0.8
  text "2,000mm (78,74mil)" at 66.24,20.988 h0.8
  text "NPTH" at 79.57,20.988 h0.8
  text "Slot" at 84.756,20.988 h0.8
  text "Layer1 Top - Layer4 Bottom" at 92.505,20.988 h0.8
  text "8" at 58.573,18.988 h0.8
  text "2,600mm (102,36mil)" at 66.24,18.988 h0.8
  text "PTH" at 79.57,18.988 h0.8
  text "Round" at 84.756,18.988 h0.8
  text "Layer1 Top - Layer4 Bottom" at 92.505,18.988 h0.8
  text "273 Total" at 58.573,16.988 h0.8
  text "Slot definitions :" at 52.578,15.121 h0.8
  text "Routed Path Length" at 62.291,15.121 h0.8
  text "= Calculated from tool start centre position to tool end centre position." at 73.896,15.121 h0.8
  text "Hole Length" at 62.291,13.855 h0.8
  text "= Routed Path Length + Tool Size = Slot length as defined in the PCB layout" at 69.329,13.855 h0.8

## Dimensions
42.5,74 to 42.5,0 on Drill Drawing
0,74 to 42.5,74 on Drill Drawing

## Text inside footprints (layer, text, board x,y; h text height)
J2_CAM1: Top Overlay "1" at 12.5,70.25 h0.5
J2_CAM2: Top Overlay "1" at 12.2,32.2 h0.5
J3_CAM1: Top Overlay "1" at 8.1,65.4 h0.5; Top Overlay "3" at 13.18,65.4 h0.5
J3_CAM2: Top Overlay "1" at 8.1,27.4 h0.5; Top Overlay "3" at 13.18,27.4 h0.5
J6_CAM1: Top Overlay "3" at 34.58,72 h0.5; Top Overlay "1" at 29.5,72 h0.5
J6_CAM2: Top Overlay "1" at 29.5,34 h0.5; Top Overlay "3" at 34.58,34 h0.5
J7_CAM1: Top Overlay "22" at 4.5,60.75 h0.5 r90; Top Overlay "1" at 4.5,50.5 h0.5 r90
J7_CAM2: Top Overlay "22" at 4.4,22.8 h0.5 r90; Top Overlay "1" at 4.4,12.7 h0.5 r90
J8_CAM1: Top Overlay "B18" at 18.2,63.1 h0.5 r90; Top Overlay "B1" at 18.2,47.8 h0.5 r90; Top Overlay "A18" at 20.7,63.5 h0.5 r90; Top Overlay "A1" at 20.7,48.2 h0.5 r90; Top Overlay "PCB EDGE" at 41.9,48.8 h0.5 r90
J8_CAM2: Top Overlay "PCB EDGE" at 41.9,10.8 h0.5 r90; Top Overlay "A1" at 20.7,10.2 h0.5 r90; Top Overlay "A18" at 20.7,25.5 h0.5 r90; Top Overlay "B1" at 18.2,9.8 h0.5 r90; Top Overlay "B18" at 18.2,25.1 h0.5 r90
J9_CAM1: Top Overlay "1" at 12.3,41.3 h0.5; Top Overlay "4" at 19.92,41.3 h0.5
J9_CAM2: Top Overlay "1" at 12.3,3.3 h0.5; Top Overlay "4" at 19.92,3.3 h0.5
J10_CAM1: Top Overlay "4" at 19.92,43.9 h0.5; Top Overlay "1" at 12.3,43.9 h0.5
J10_CAM2: Top Overlay "4" at 19.92,5.9 h0.5; Top Overlay "1" at 12.3,5.9 h0.5
T1: Drill Drawing "All drills (PTH and NPTH) should run in one work process" at -3.15,-4.6 h0.8; Mechanical 16 "A" at 132.733,83.35 h0.5; Mechanical 16 "B" at 132.733,63.35 h0.5; Mechanical 16 "C" at 132.733,43.35 h0.5; Mechanical 16 "D" at 132.733,23.35 h0.5; Mechanical 16 "E" at 132.733,3.35 h0.5; Mechanical 16 "E" at -6.267,3.35 h0.5; Mechanical 16 "D" at -6.267,23.35 h0.5; Mechanical 16 "C" at -6.267,43.35 h0.5; Mechanical 16 "B" at -6.267,63.35 h0.5; Mechanical 16 "A" at -6.267,83.35 h0.5; Mechanical 16 "2" at 23.1,92.9 h0.5; Mechanical 16 "3" at 43.1,92.9 h0.5; Mechanical 16 "4" at 63.1,92.9 h0.5; Mechanical 16 "5" at 83.1,92.9 h0.5; Mechanical 16 "6" at 103.1,92.9 h0.5; Mechanical 16 "7" at 123.1,92.9 h0.5; Mechanical 16 "1" at 3.1,92.9 h0.5; Mechanical 16 "1" at 3.1,-6.1 h0.5; Mechanical 16 "7" at 123.1,-6.1 h0.5; Mechanical 16 "6" at 103.1,-6.1 h0.5; Mechanical 16 "5" at 83.1,-6.1 h0.5; Mechanical 16 "4" at 63.1,-6.1 h0.5; Mechanical 16 "3" at 43.1,-6.1 h0.5; Mechanical 16 "2" at 23.1,-6.1 h0.5; Mechanical 16 "Bare Board Revision:" at 103.85,6.9 h0.89; Mechanical 16 "Bare Board Number:" at 103.85,2.4 h0.89; Mechanical 16 "Technologies" at 74.1,5.15 h0.89; Mechanical 16 "File Name:" at 64.85,-2.1 h0.89; Mechanical 16 "PCB Designer:" at 64.85,2.4 h0.89; Mechanical 16 "Title:" at 48.85,6.9 h0.89; Mechanical 16 "Date:" at 48.85,-2.1 h0.89; Mechanical 16 "Allied Vision" at 74.1,6.65 h0.89; Mechanical 16 "Taschenweg 2a" at 83.35,6.65 h0.89; Mechanical 16 "Stadtroda" at 83.6,4.9 h0.89; Mechanical 16 "Germany" at 96.1,6.65 h0.89; Mechanical 16 "Layer Name:" at 80.85,2.4 h0.89; Mechanical 16 "Project:" at 48.85,2.4 h0.89